# Altium PCB RT1064_V1PCB.PcbDoc (part 1 of 2)
Units mil, origin at the board's own origin, x right, y up, seen from the top; angles counter-clockwise.
Board outline 5700.03 x 3825.07 mil, 4 copper layers (TOP, GND 2, PWR, BOTTOM), stack 23.756 mil thick; 132 components, 133 nets, 526 pads, 141 vias.
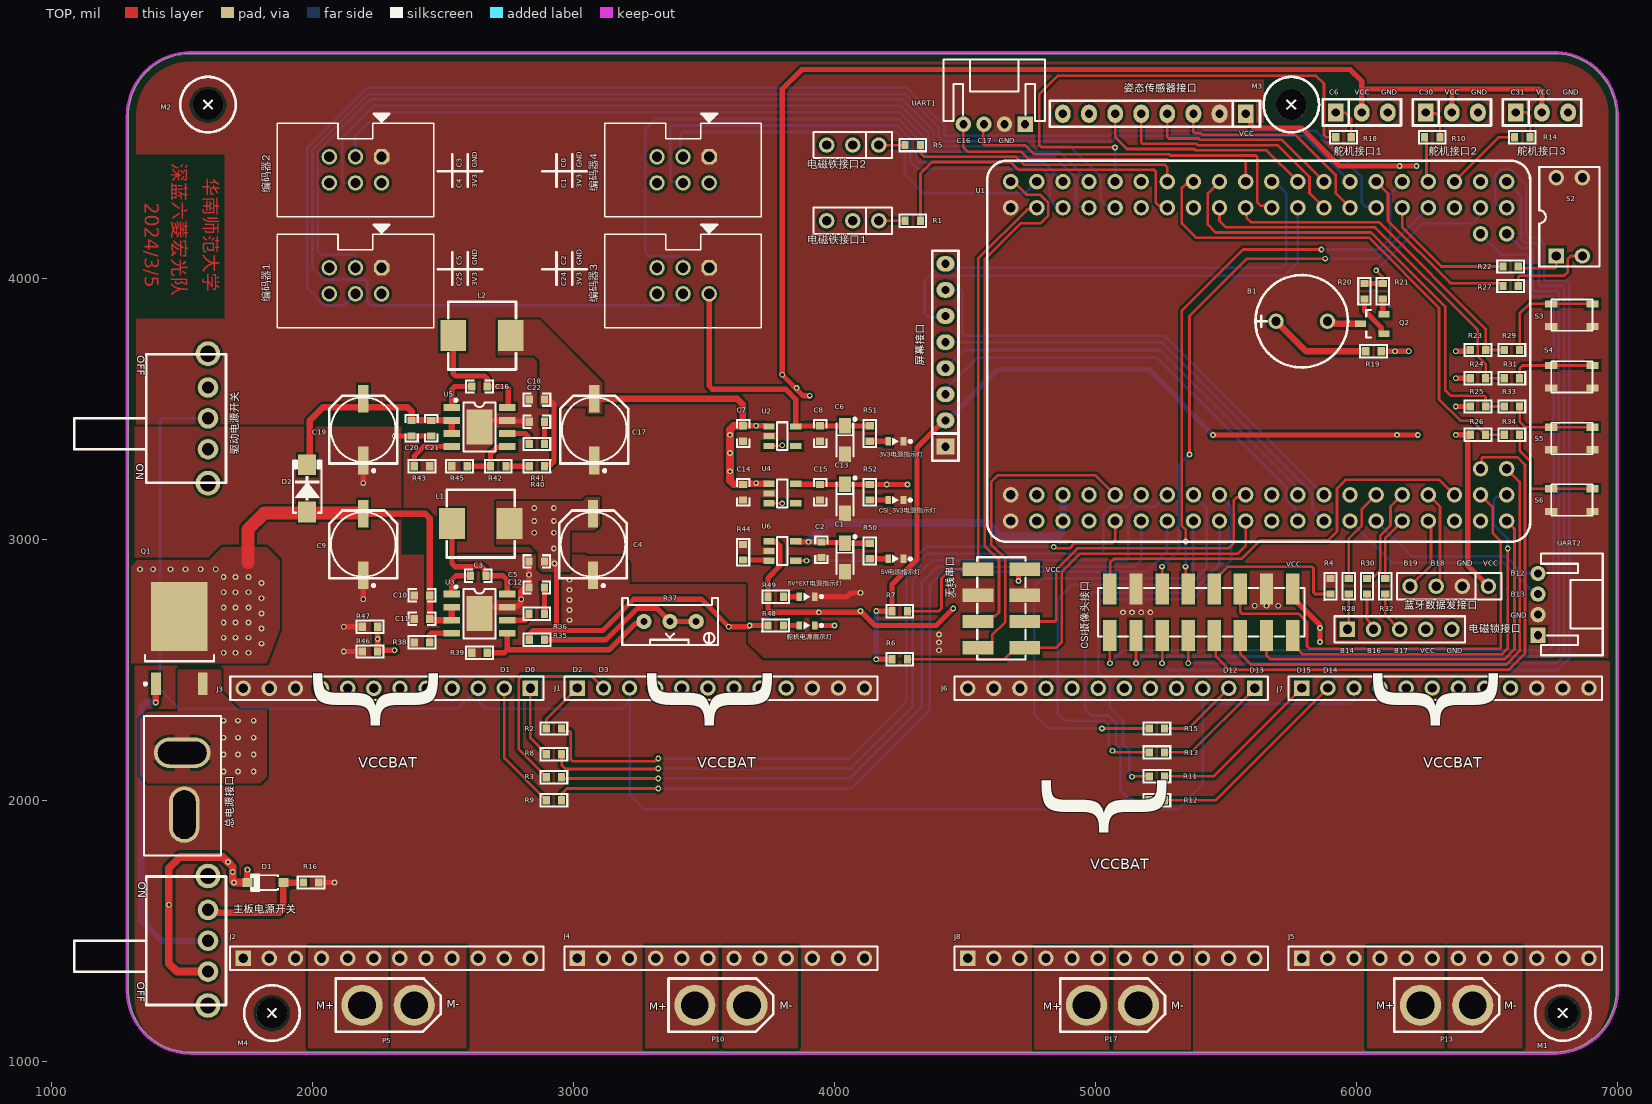
[diagram p0: TOP view]
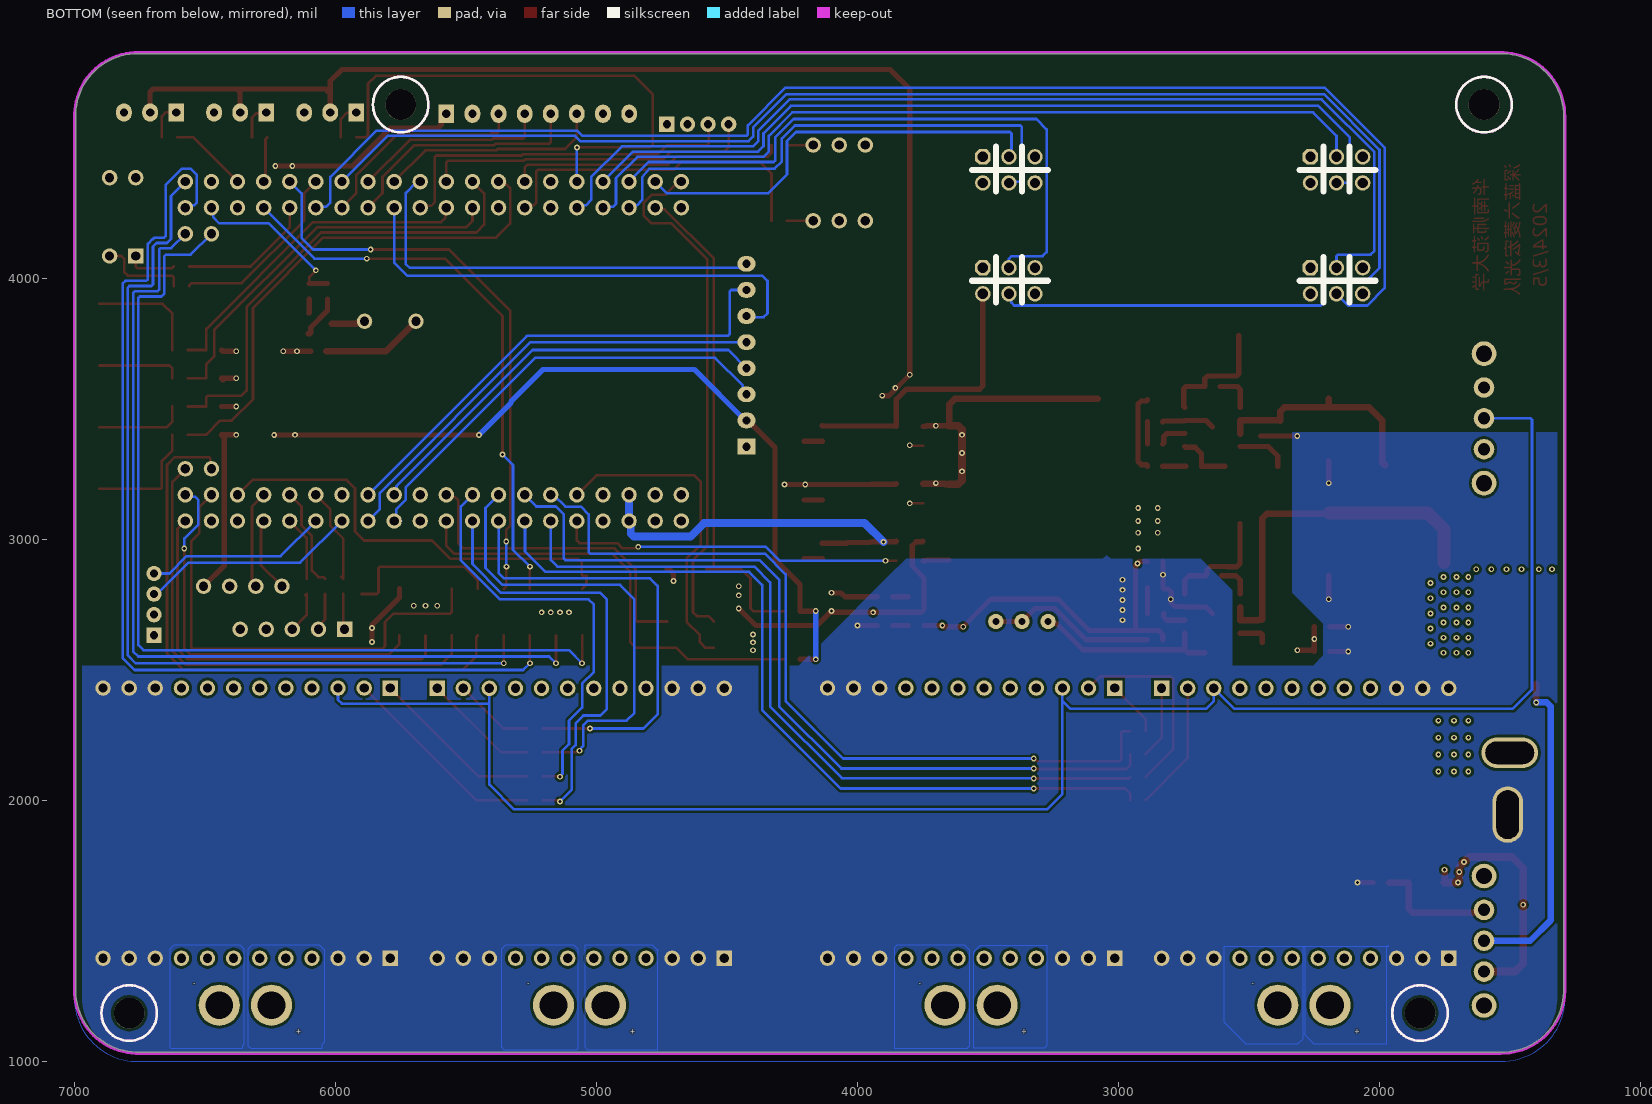
[diagram p1: BOTTOM view, seen from below]
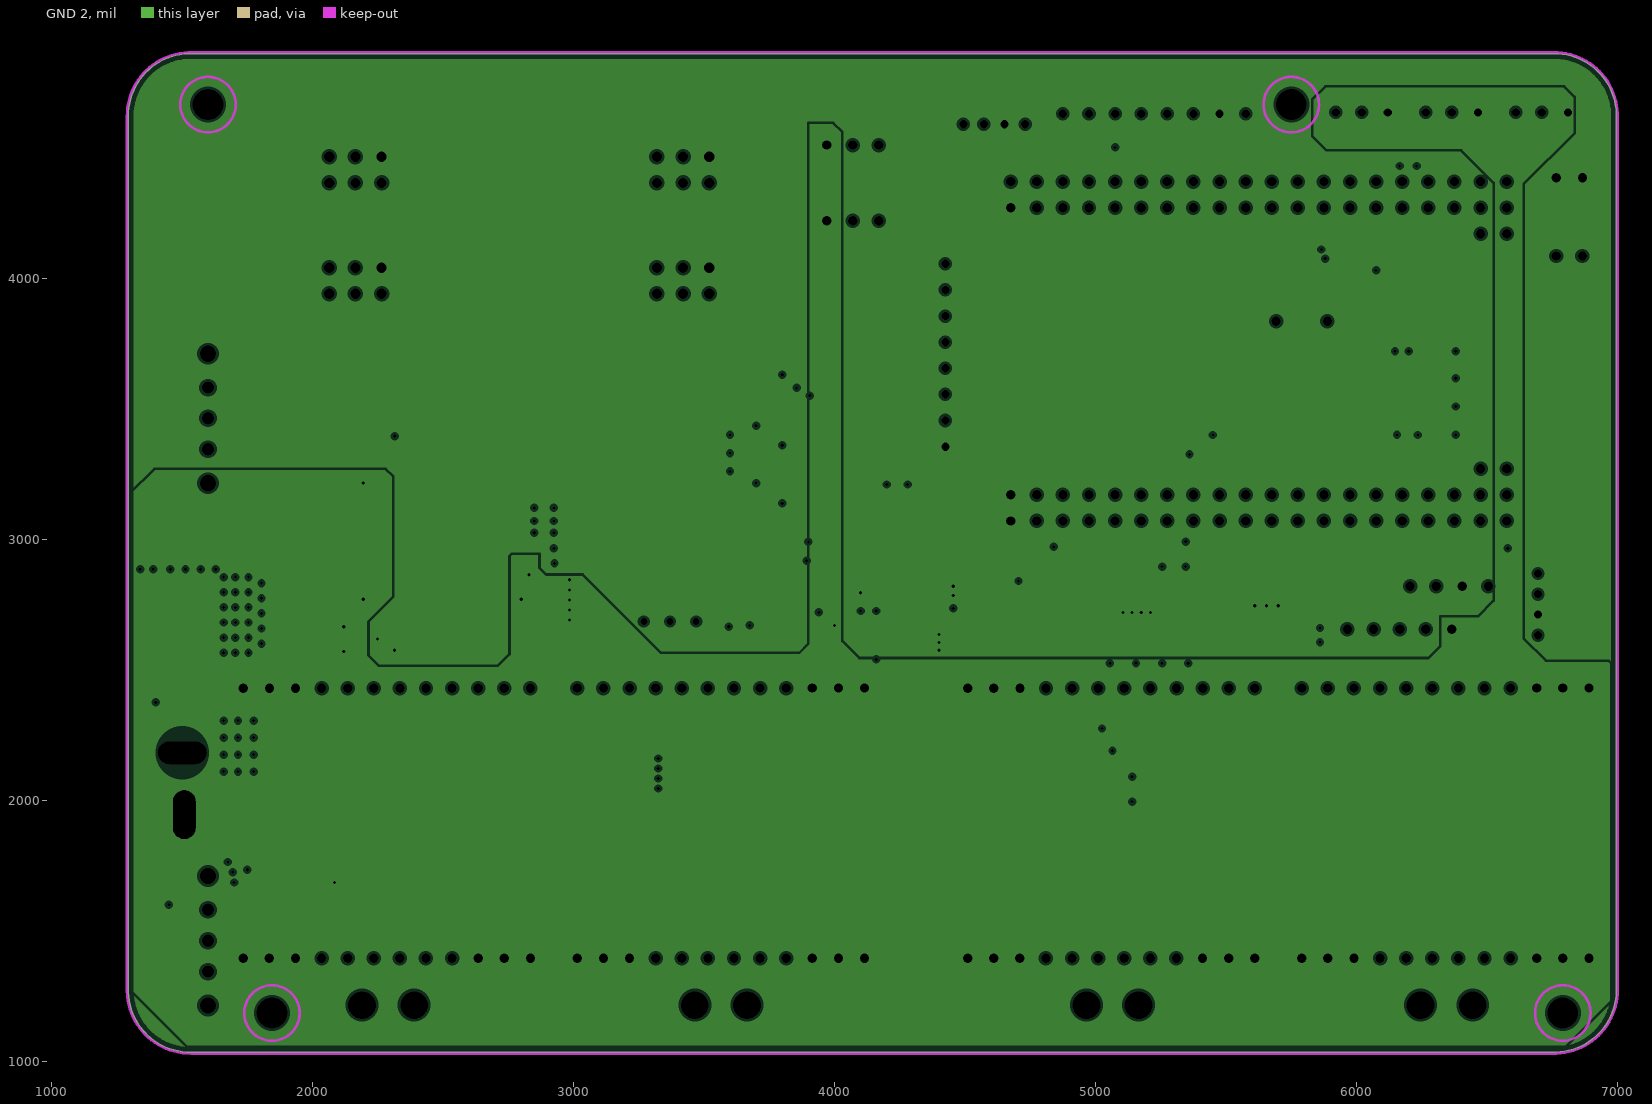
[diagram p2: GND 2, clearances drawn from the general rule]
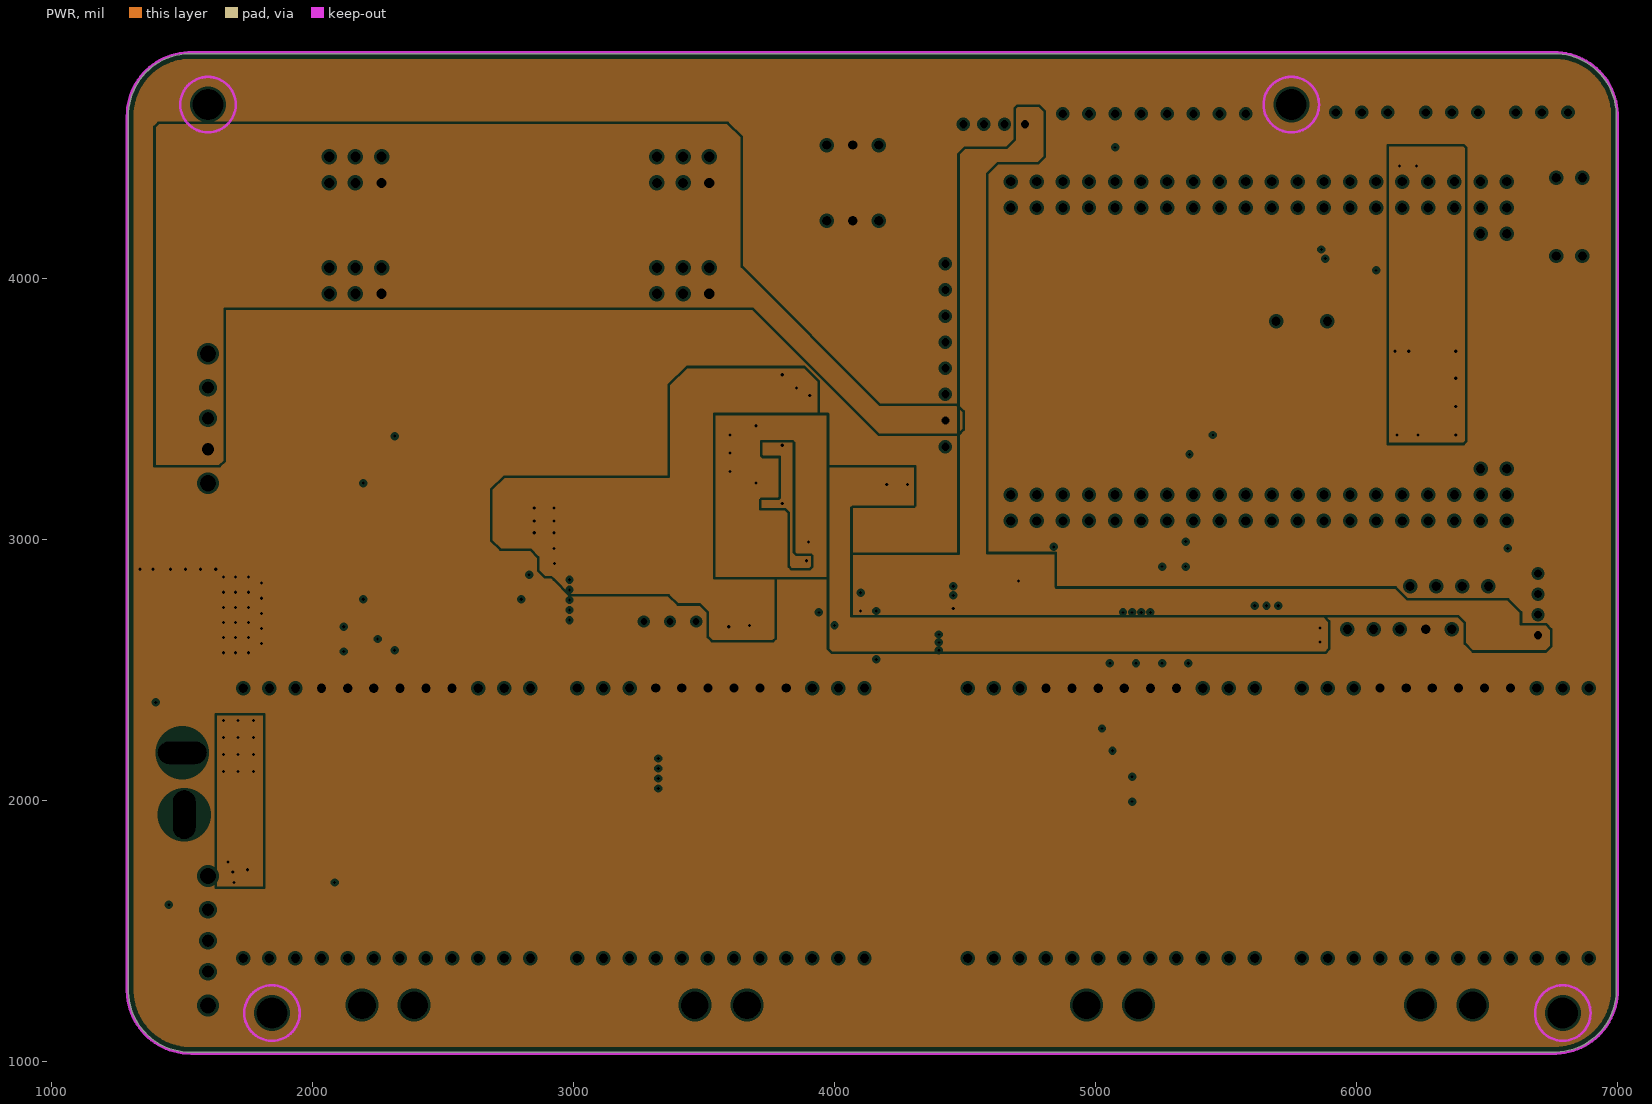
[diagram p3: PWR, clearances drawn from the general rule]

## Layer stack, top to bottom
Top Solder: solder mask 0.4, Solder Resist, Dk 3.5
TOP: signal copper 1.4
Dielectric 2: prepreg 2.8, PP-006, Dk 4.1
GND 2: plane copper 1.378, net GND
Dielectric 1: dielectric 12.6, FR-4, Dk 4.8
PWR: plane copper 1.378, net VCCBAT
Dielectric 3: prepreg 2.8, PP-006, Dk 4.1
BOTTOM: signal copper 1.4
Bottom Solder: solder mask 0.4, Solder Resist, Dk 3.5

## Board outline
1295.01,1265.33 1294.96,4619.25 1295.01,4620.05 cw(c1532.6,4622.5) 1525.1,4859.98 6755,4860.09 6755.08,4860.09 cw(c6757.5,4622.5) 6994.98,4629.93 6994.98,1270 cw(c6757.4,1272.5) 6764.82,1035.01 1534.9,1035.01 1534.81,1035.01 cw(c1532.4,1272.49)

## Design rules (kind name [scope] priority, off if disabled: settings)
BoardOutlineClearance [All] p1: gap=30 ignorepadtopadclearanceinfootprint=FALSE
Clearance [All] p1: gap=10 ignorepadtopadclearanceinfootprint=FALSE except(0: Arc-Hole Track-Hole SMDPad-Hole THPad-Hole Via-Hole Fill-Hole Poly-Hole Region-Hole Text-Hole)
PlaneClearance [All] p1: clearance=10
PlaneConnect [All] p1: planeconnectstyle=Relief reliefexpansion=20 reliefentries=4 reliefconductorwidth=10 reliefairgap=10
PolygonConnect PolygonConnect_PWR [InNetClass('PWR')] p1: thpad.connectstyle=Relief thpad.reliefconductorwidth=60 thpad.reliefentries=4 thpad.polygonreliefangle="90 Angle" thpad.airgapwidth=10 smdpad.connectstyle=Direct smdpad.reliefconductorwidth=60 smdpad.reliefentries=4 smdpad.polygonreliefangle="90 Angle" smdpad.airgapwidth=10 via.connectstyle=Direct via.reliefconductorwidth=10 via.reliefentries=4 via.polygonreliefangle="90 Angle" via.airgapwidth=10
PolygonConnect [All] p2: connectstyle=Direct reliefconductorwidth=60 reliefentries=4 polygonreliefangle="90 Angle" airgapwidth=10
RoutingVias [All] p1: holewidth=28 width=50 viastyle="Through Hole" minholewidth=28 minwidth=50 maxholewidth=28 maxwidth=50
SolderMaskExpansion [All] p1: expansion=4 istentingtop=FALSE
Width PWR [InNetClass('PWR')] p1: maxlimit=30 minlimit=10 preferedwidth=30
Width [All] p2: maxlimit=20 minlimit=10 preferedwidth=10
28 further rules are at their usual default settings.

## Classes and differential pairs
net class PGND: PGND
net class GND: GND
component class RT1064_Power: 3V3电源指示灯 5V*EXT电源指示灯 5V电源指示灯 C3 C4 C5 C6 C7 C8 C9 C10 C11 C12 C13 C14 C15 C16 C17 C18 C19 C20 C21 C22 CSI_3V3电源指示灯 D2 L1 L2 R35 R36 R37 R38 R39 R40 R41 R42 R43 R44 R45 R46 R47 R48 R49 R50 R51 R52 U2 U3 U4 U5 U6 主板电源开关 舵机电源指示灯
component class RT1064_Interaction: B1 M1 M2 M3 M4 Q2 R19 R20 R21 R22 R23 R24 R25 R26 R27 R28 R29 R30 R31 R32 R33 R34 S2 S3 S4 S5 S6 电磁锁接口
component class RT1064_Device: CSI摄像头接口 D1 J1 J2 J3 J4 J5 J6 J7 J8 P5 P10 P13 P17 Q1 R1 R2 R3 R4 R5 R6 R7 R8 R9 R10 R11 R12 R13 R14 R15 R16 R18 UART1 UART2 主板电源开关 姿态传感器接口 屏幕接口 总电源接口 无线串口 电磁铁接口1 电磁铁接口2 编码器1 编码器2 编码器3 编码器4 舵机接口1 舵机接口2 舵机接口3 蓝牙数据发接口
component class RT1064_CoreBoard: C1 C2 U1

## Components (designator, comment, footprint, x,y, rotation, side; value= is the part's Value field where it differs from the comment)
3V3电源指示灯 "翠绿贴片LED" LEDC1608(0603)-L 4235,3375 r180 top (schematic designator LED4)
5V*EXT电源指示灯 "翠绿贴片LED" LEDC1608(0603)-L 3895,2780 r180 top (schematic designator LED2)
5V电源指示灯 "翠绿贴片LED" LEDC1608(0603)-L 4235,2925 r180 top (schematic designator LED3)
B1 "BEEP" "BEEP 9x5.5mm" 5790,3835 r0 top
C1 "T-S 10uF 3216 16V" "CAP-T-S 3216" 4040,2930 r270 top value=10uF
C2 "1uF 16V X7R" CAPC1608[0603]S-L 3950,2960 r90 top value=1uF
C3 "100nF 50V X7R" CAPC1608[0603]S-L 2635,2860 r180 top value=100nF
C4 "220uF 25V 铝电解" "CAP-E-S 6.3" 3075,2980 r270 top value=220uF
C5 "47uF 50V X7R" CAPC1608[0603]S-L 2859.7,2915 r0 top value=47uF
C6 "T-S 10uF 3216 16V" "CAP-T-S 3216" 4040,3380 r270 top value=10uF
C7 "100nF 50V X7R" CAPC1608[0603]S-L 3650,3405 r90 top value=100nF
C8 "100nF 50V X7R" CAPC1608[0603]S-L 3945,3404.97 r90 top value=100nF
C9 "220uF 25V 铝电解" "CAP-E-S 6.3" 2195,2980 r270 top value=220uF
C10 "4.7uF 50V X7R" CAPC1608[0603]S-L 2420,2785 r0 top value=4.7uF
C11 "100nF 50V X7R" CAPC1608[0603]S-L 2419.97,2695 r0 top value=100nF
C12 "4.7nF 50V X7R" CAPC1608[0603]S-L 2859.76,2815 r0 top value=4.7nF
C13 "T-S 10uF 3216 16V" "CAP-T-S 3216" 4040,3155 r270 top value=10uF
C14 "100nF 50V X7R" CAPC1608[0603]S-L 3650,3180 r90 top value=100nF
C15 "100nF 50V X7R" CAPC1608[0603]S-L 3945,3180 r90 top value=100nF
C16 "100nF 50V X7R" CAPC1608[0603]S-L 2640,3585 r180 top value=100nF
C17 "220uF 25V 铝电解" "CAP-E-S 6.3" 3080,3420 r270 top value=220uF
C18 "47uF 50V X7R" CAPC1608[0603]S-L 2859.9,3535 r0 top value=47uF
C19 "220uF 25V 铝电解" "CAP-E-S 6.3" 2195,3420 r270 top value=220uF
C20 "4.7uF 50V X7R" CAPC1608[0603]S-L 2380,3425 r90 top value=4.7uF
C21 "100nF 50V X7R" CAPC1608[0603]S-L 2455,3425 r90 top value=100nF
C22 "4.7nF 50V X7R" CAPC1608[0603]S-L 2859.91,3450 r0 top value=4.7nF
CSI_3V3电源指示灯 "翠绿贴片LED" LEDC1608(0603)-L 4235,3150 r180 top (schematic designator LED5)
CSI摄像头接口 "Header-D-F 2x8P" Cam_HDR2X8-F-SMT 5405,2720.63 r180 top (schematic designator P1)
D1 "BZT52C16" SOD-123-L 1820,1685 r180 top
D2 "SS54" SMA-L[DO-214AC] 1980,3195 r90 top
J1 "Female HDR1X12" Fe-HDR1X12/2.54-S 3015,2429.88 r90 top
J2 "Female HDR1X12" Fe-HDR1X12/2.54-S 1735.08,1395 r90 top
J3 "Female HDR1X12" Fe-HDR1X12/2.54-S 2835.24,2428.82 r270 top
J4 "Female HDR1X12" Fe-HDR1X12/2.54-S 3015,1395 r90 top
J5 "Female HDR1X12" Fe-HDR1X12/2.54-S 5790,1395 r90 top
J6 "Female HDR1X12" Fe-HDR1X12/2.54-S 5610.24,2428.82 r270 top
J7 "Female HDR1X12" Fe-HDR1X12/2.54-S 5790,2429.88 r90 top
J8 "Female HDR1X12" Fe-HDR1X12/2.54-S 4510.08,1395 r90 top
L1 "4.7uH 5A" "0630 TPC 7*7*3" 2645,3060 r0 top value=4.7uH
L2 "4.7uH 5A" "0630 TPC 7*7*3" 2650,3780 r0 top value=4.7uH
M1 "MountHole" M3-MountHole 6790,1185 r0 top
M2 "MountHole" M3-MountHole 1600,4665 r0 top
M3 "MountHole" M3-MountHole 5750,4665 r0 top
M4 "MountHole" M3-MountHole 1845,1185 r0 top
P5 "KF/WJ/DG 30x connecter" XT30-M 2290,1215 r0 top
P10 "KF/WJ/DG 30x connecter" XT30-M 3565,1215 r0 top
P13 "KF/WJ/DG 30x connecter" XT30-M 6345,1215 r0 top
P17 "KF/WJ/DG 30x connecter" XT30-M 5065,1215 r0 top
Q1 "HY19P03" TO-252AA 1490.35,2575 r90 top
Q2 "S8050" SOT-23 6060,3825 r180 top
R1 "100R ±1%" RESC1608[0603]S-L 4299.98,4220 r0 top value=100R
R2 "100R ±1%" RESC1608[0603]S-L 2925,2275.01 r180 top value=100R
R3 "100R ±1%" RESC1608[0603]S-L 2925,2088.33 r180 top value=100R
R4 "10K ±1%" RESC1608[0603]S-L 5900,2819.61 r90 top value=10K
R5 "100R ±1%" RESC1608[0603]S-L 4300,4510 r0 top value=100R
R6 "10K ±1%" RESC1608[0603]S-L 4250.05,2540 r180 top value=10K
R7 "10K ±1%" RESC1608[0603]S-L 4250,2724.03 r180 top value=10K
R8 "100R ±1%" RESC1608[0603]S-L 2925,2176.67 r180 top value=100R
R9 "100R ±1%" RESC1608[0603]S-L 2925,2000 r180 top value=100R
R10 "100R ±1%" RESC1608[0603]S-L 6290,4539.75 r180 top value=100R
R11 "100R ±1%" RESC1608[0603]S-L 5235,2091.67 r0 top value=100R
R12 "100R ±1%" RESC1608[0603]S-L 5235.01,1999.99 r0 top value=100R
R13 "100R ±1%" RESC1608[0603]S-L 5235.01,2183.33 r0 top value=100R
R14 "100R ±1%" RESC1608[0603]S-L 6635,4540 r180 top value=100R
R15 "100R ±1%" RESC1608[0603]S-L 5235.01,2275 r0 top value=100R
R16 "10K ±1%" RESC1608[0603]S-L 1995,1685 r180 top value=10K
R18 "100R ±1%" RESC1608[0603]S-L 5950,4540 r180 top value=100R
R19 "10R ±1%" RESC1608[0603]S-L 6065,3720 r0 top value=10R
R20 "4.7K ±1%" RESC1608[0603]S-L 6030,3949.95 r90 top value=4.7K
R21 "10K ±1%" RESC1608[0603]S-L 6100,3950 r90 top value=10K
R22 "100R ±1%" RESC1608[0603]S-L 6590,4045 r180 top value=100R
R23 "1K ±1%" RESC1608[0603]S-L 6465,3725 r0 top value=1K
R24 "1K ±1%" RESC1608[0603]S-L 6464.83,3616.64 r0 top value=1K
R25 "1K ±1%" RESC1608[0603]S-L 6465,3508.32 r0 top value=1K
R26 "1K ±1%" RESC1608[0603]S-L 6464.84,3399.99 r0 top value=1K
R27 "100R ±1%" RESC1608[0603]S-L 6590,3970 r180 top value=100R
R28 "100R ±1%" RESC1608[0603]S-L 5970,2819.71 r90 top value=100R
R29 "100R ±1%" RESC1608[0603]S-L 6595,3725 r180 top value=100R
R30 "100R ±1%" RESC1608[0603]S-L 6040,2819.71 r90 top value=100R
R31 "100R ±1%" RESC1608[0603]S-L 6594.99,3616.66 r180 top value=100R
R32 "100R ±1%" RESC1608[0603]S-L 6110,2819.71 r90 top value=100R
R33 "100R ±1%" RESC1608[0603]S-L 6594.99,3508.33 r180 top value=100R
R34 "100R ±1%" RESC1608[0603]S-L 6595,3400 r180 top value=100R
R35 "15K ±1%" RESC1608[0603]S-L 2860,2615 r180 top value=15K
R36 "20K ±1%" RESC1608[0603]S-L 2859.69,2714.99 r180 top value=20K
R37 "10K" RESPOT3296W 3370,2685 r180 top
R38 "200K ±1%" RESC1608[0603]S-L 2420.01,2604.99 r0 top value=200K
R39 "3.3K ±1%" RESC1608[0603]S-L 2640.14,2565 r0 top value=3.3K
R40 "51K ±1%" RESC1608[0603]S-L 2860,3280 r0 top value=51K
R41 "20K ±1%" RESC1608[0603]S-L 2859.91,3365 r180 top value=20K
R42 "1.5K ±1%" RESC1608[0603]S-L 2711.66,3280 r0 top value=1.5K
R43 "200K ±1%" RESC1608[0603]S-L 2420,3280 r180 top value=200K
R44 "4.7K ±1%" RESC1608[0603]S-L 3650,2950 r270 top value=4.7K
R45 "10K ±1%" RESC1608[0603]S-L 2563.31,3280 r0 top value=10K
R46 "0R ±1%" RESC1608[0603]S-L 2220.42,2570 r0 top value=0R
R47 "0R ±1%" RESC1608[0603]S-L 2220.47,2665 r0 top value=0R
R48 "10K ±1%" RESC1608[0603]S-L 3774.65,2670 r180 top value=10K
R49 "10K ±1%" RESC1608[0603]S-L 3775,2780 r180 top value=10K
R50 "10K ±1%" RESC1608[0603]S-L 4135,2954.95 r90 top value=10K
R51 "4.7K ±1%" RESC1608[0603]S-L 4135,3404.93 r90 top value=4.7K
R52 "4.7K ±1%" RESC1608[0603]S-L 4135,3179.93 r90 top value=4.7K
S2 "SW DIP-2" "Code SW-2-DIP-2.54" 6815,4235 r0 top
S3 "Button" PTS810-3*4-CurvePin 6825,3858.31 r0 top
S4 "Button" PTS810-3*4-CurvePin 6825,3622.2 r0 top
S5 "Button" PTS810-3*4-CurvePin 6825,3386.1 r0 top
S6 "Button" PTS810-3*4-CurvePin 6825,3150 r0 top
U1 "MIMXRT1064xVL_CoreBoard" "MIMXRT1064xVL_CoreBoard - 3D" 5625,3720 r0 top locked
U2 "RT9013-33" SOT-23-5 3800,3395 r0 top
U3 "SCT2450" SOP-8E 2640,2715 r0 top
U4 "RT9013-33" SOT-23-5 3800,3175 r0 top
U5 "SCT2450" SOP-8E 2640,3430 r0 top
U6 "SY6280" SOT-23-5 3800,2955 r0 top locked
UART1 "Header-D-M 1x4P" PH2.0W-4P 4896.89,4560 r180 top (schematic designator P4)
UART2 "Header-D-M 1x4P" PH2.0W-4P 6665,2465.63 r90 top (schematic designator P8)
主板电源开关 "SW-SPDT" SS-12F23 1600,1710 r270 top (schematic designator S1)
姿态传感器接口 "Header-D-M 1x8P" Fe-HDR1X8/2.54-S 5575,4630 r270 top (schematic designator P3)